# Altium PCB PCB1.PcbDoc
Units mm, origin at the board's own origin, x right, y up, seen from the top; angles counter-clockwise.
Board outline 53 x 92 mm, 2 copper layers (Top Layer, Bottom Layer); 96 components, 63 nets, 385 pads, 165 vias.
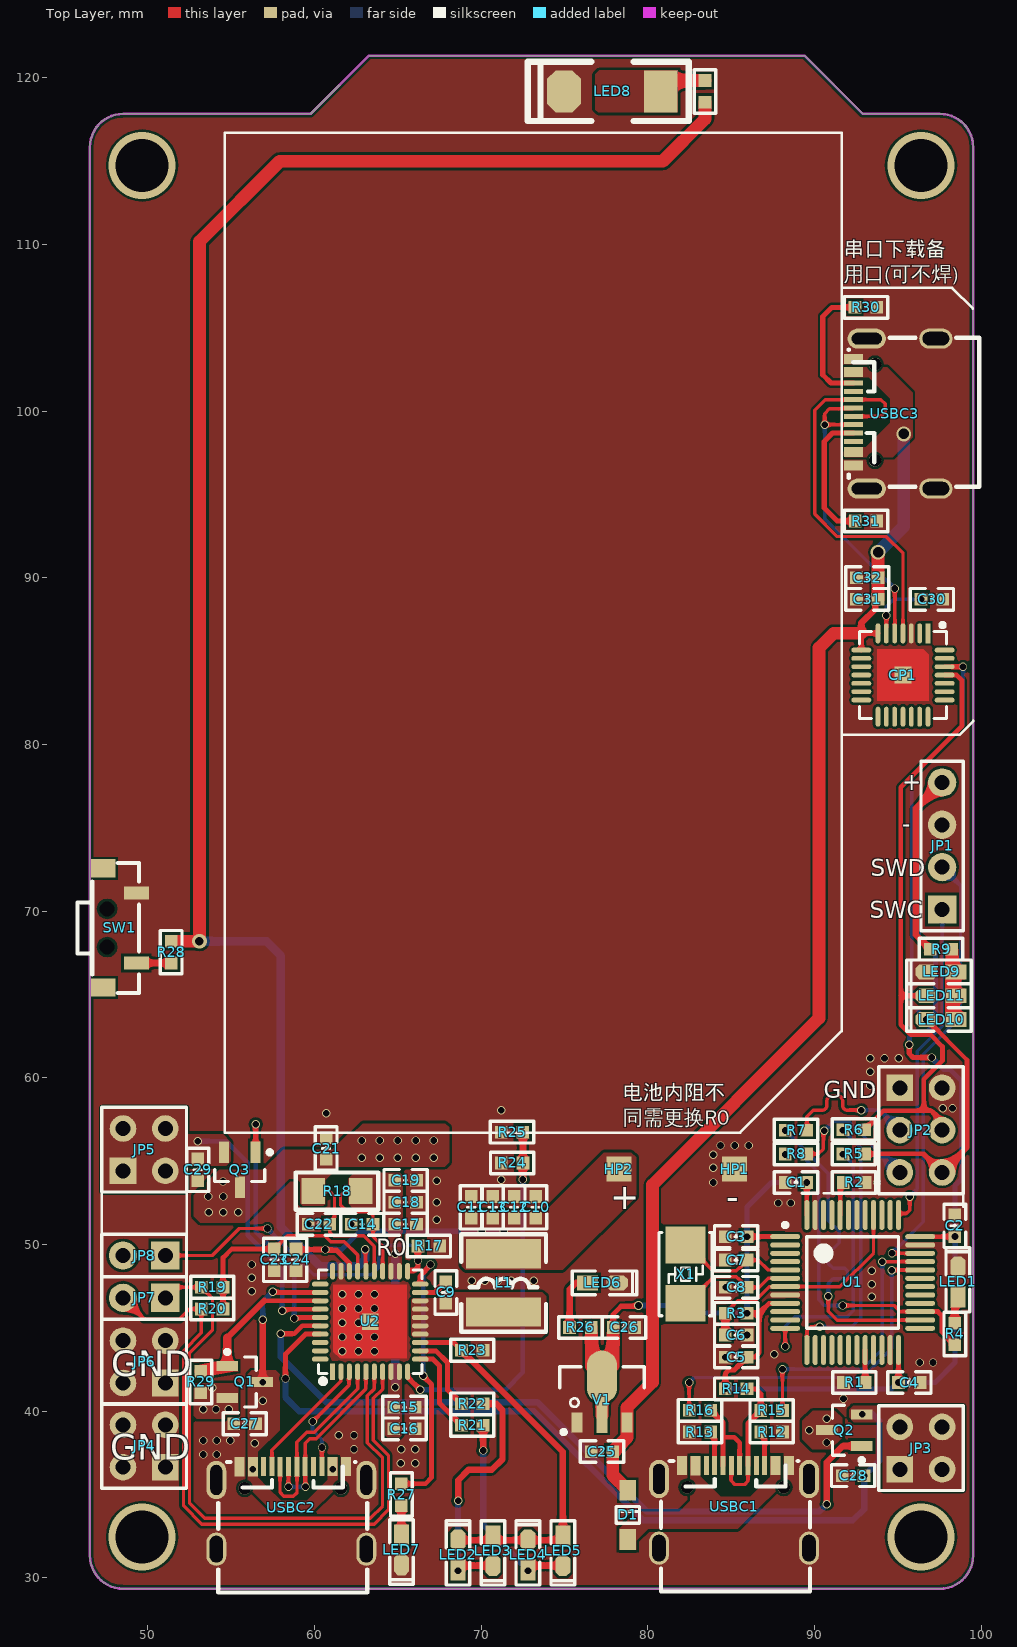
[diagram p0: Top Layer view]
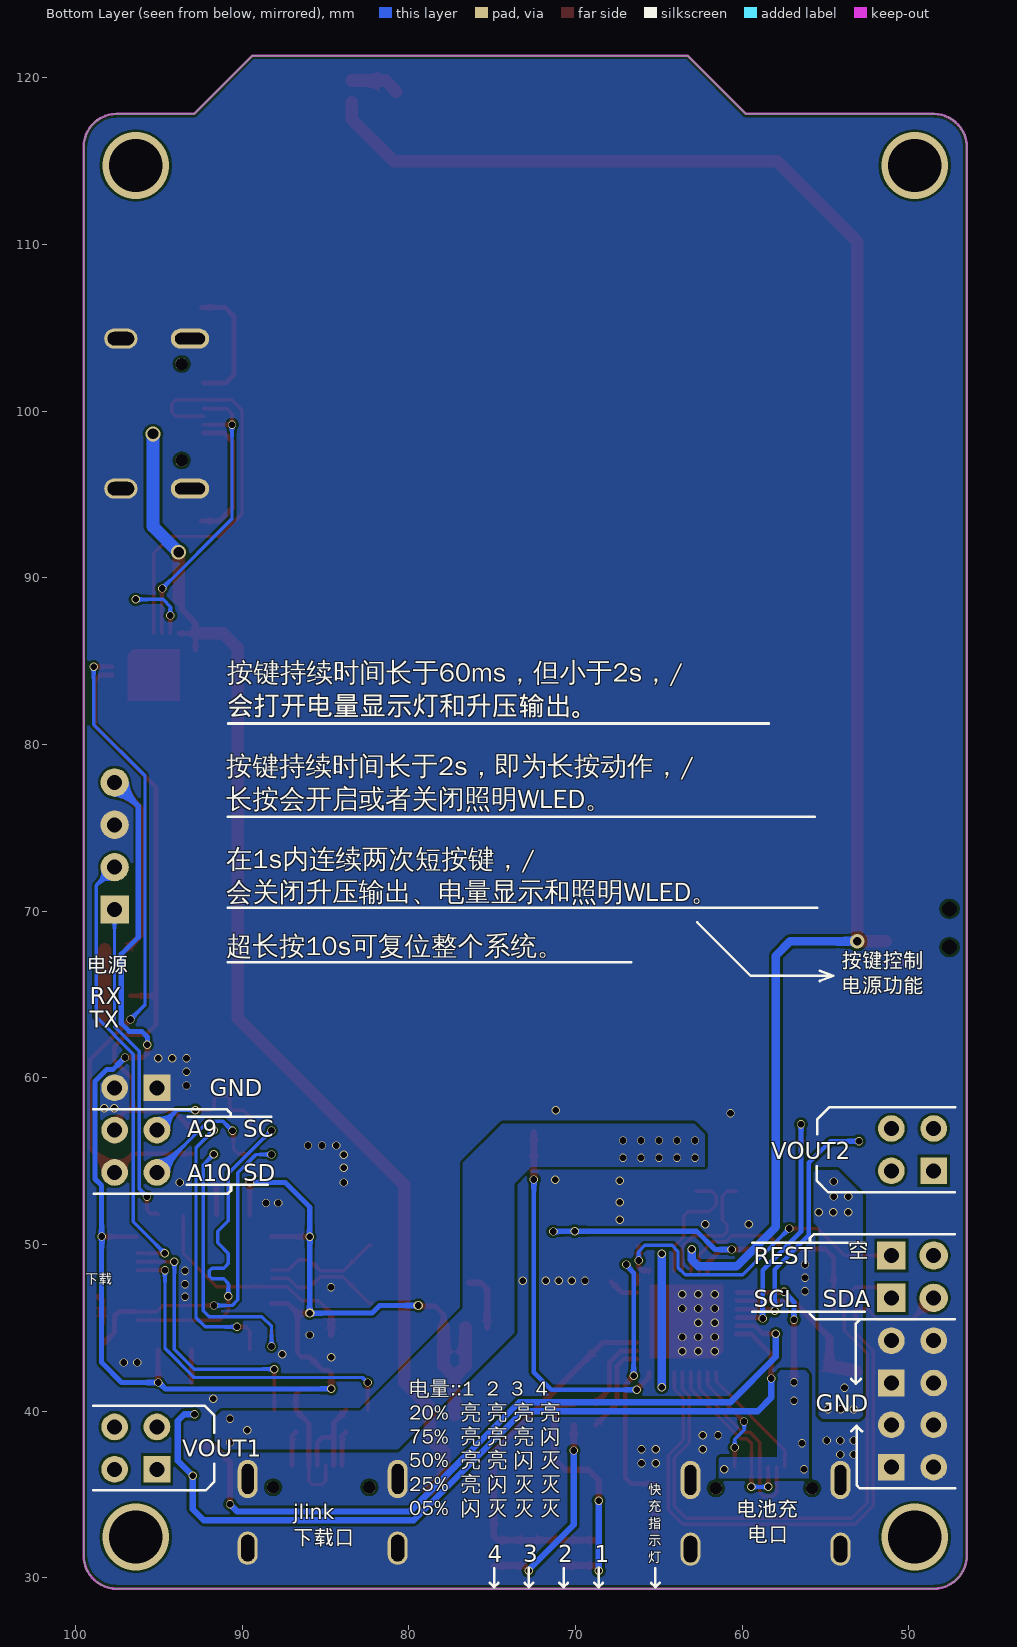
[diagram p1: Bottom Layer view, seen from below]

## Layer stack, top to bottom
Top Solder: solder mask 0.0102, Solder Resist, Dk 3.5
Top Layer: signal copper 0.0356
Dielectric 1: dielectric 0.32, FR-4, Dk 4.8
Bottom Layer: signal copper 0.0356
Bottom Solder: solder mask 0.0102, Solder Resist, Dk 3.5

## Board outline
46.525,31.343 46.525,115.843 cw(c48.525,115.843) 48.525,117.843 59.775,117.843 63.275,121.343 89.4,121.343 92.9,117.843 97.525,117.843 cw(c97.525,115.843) 99.525,115.843 99.525,31.343 cw(c97.525,31.343) 97.525,29.343 48.525,29.343 cw(c48.525,31.343)

## Design rules (kind name [scope] priority, off if disabled: settings)
Clearance [All] p1: gap=0.152 ignorepadtopadclearanceinfootprint=TRUE
HoleToHoleClearance [All] p1: gap=0 allowstackedmicrovias=TRUE
MinimumSolderMaskSliver [All] p1: minsoldermaskwidth=0
PolygonConnect [All] p1: connectstyle=Direct reliefconductorwidth=0.254 reliefentries=4 polygonreliefangle="90 Angle" airgapwidth=0.254
RoutingVias [All] p1: holewidth=0.4 width=0.5 viastyle="Through Hole" minholewidth=0.4 minwidth=0.5 maxholewidth=90 maxwidth=100
SilkToSilkClearance [All] p1: silktosilkclearance=0
SilkToSolderMaskClearance [IsPad] p1: minsilkscreentomaskgap=0 clearancetoexposedcopper=TRUE
SolderMaskExpansion [All] p1: expansion=0.102 istentingtop=FALSE
UnRoutedNet [All] p1: checkbadconnections=TRUE
Width [All] p1: maxlimit=1.016 minlimit=0.127 preferedwidth=0.203
25 further rules are at their usual default settings.

## Components (designator, comment, footprint, x,y, rotation, side; value= is the part's Value field where it differs from the comment)
C1 "104" "C 0603_L" 88.897,53.721 r0 top
C2 "104" "C 0603_L" 98.423,51.12 r270 top
C3 "104" "C 0603_L" 85.306,50.47 r0 top
C4 "104" "C 0603_L" 95.697,41.719 r180 top
C5 "104" "C 0603_L" 85.306,43.243 r0 top
C6 "104" "C 0603_L" 85.306,44.568 r180 top
C7 "22PF" "C 0603_L" 85.305,49.067 r0 top
C8 "22PF" "C 0603_L" 85.305,47.426 r0 top
C9 "104" "C 0603_L" 67.882,47.121 r90 top
C10 "22uf" "C 0603_L" 73.284,52.232 r90 top
C11 "22uf" "C 0603_L" 69.41,52.232 r90 top
C12 "22uf" "C 0603_L" 71.982,52.233 r270 top
C13 "22uf" "C 0603_L" 70.697,52.232 r270 top
C14 "104" "C 0603_L" 62.865,51.213 r0 top
C15 "106" "C 0603_L" 65.4,40.24 r0 top
C16 "106" "C 0603_L" 65.4,38.94 r0 top
C17 "106" "C 0603_L" 65.47,51.213 r0 top
C18 "106" "C 0603_L" 65.47,52.53 r0 top
C19 "106" "C 0603_L" 65.47,53.848 r0 top
C21 "22UF" "C 0603_L" 60.7,55.76 r270 top
C22 "104" "C 0603_L" 60.27,51.213 r0 top
C23 "2.2.UF" "C 0603_L" 57.593,49.08 r270 top
C24 "2.2UF" "C 0603_L" 58.895,49.08 r270 top
C25 "104" "C 0603_L" 77.253,37.573 r0 top
C26 "104" "C 0603_L" 78.578,45.024 r180 top
C27 "106" "C 0603_L" 55.816,39.243 r0 top
C28 "106" "C 0603_L" 92.324,36.131 r180 top
C29 "106" "C 0603_L" 53,54.48 r90 top
C30 "104" "C 0603_L" 97.043,88.709 r0 top
C31 "104" "C 0603_L" 93.171,88.709 r180 top locked
C32 "104" "C 0603_L" 93.171,90.015 r180 top locked
CP1 "U?" "QFN28 5x5_N" 95.313,84.169 r180 top
D1 "SS14" SOD-123 78.803,33.782 r270 top
HP1 "" 焊盘1.5X1.5 85.217,54.528 r180 top
HP2 "" 焊盘1.5X1.5 78.264,54.528 r270 top
JP1 "HDR-1X4" HDR2.54-LI-4P 97.663,73.914 r90 top
JP2 "Header3X2" HDR2.54-LI-2x3P 96.393,56.864 r270 top locked
JP3 "Header2X2" HDR2.54-LI-2x2P 96.393,37.782 r0 top locked
JP4 "Header2X2" HDR2.54-LI-2x2P 49.784,37.91 r90 top
JP5 "Header2X2" HDR2.54-LI-2x2P 49.784,55.689 r0 top locked
JP6 "Header2X2" HDR2.54-LI-2x2P 49.784,42.958 r90 top locked
JP7 "HDR-1X2" HDR2.54-LI-2P 49.784,46.799 r180 top locked
JP8 "HDR-1X2" HDR2.54-LI-2P 49.784,49.34 r180 top locked
L1 "2.2uH" CD43 71.349,47.692 r90 top
LED1 "" "LED 0603R" 98.615,47.752 r90 top
LED2 "" "LED 0603R" 68.618,31.369 r90 top
LED3 "" "LED 0603R" 70.703,31.623 r270 top
LED4 "" "LED 0603R" 72.814,31.369 r90 top
LED5 "" "LED 0603R" 74.898,31.623 r270 top
LED6 "R" "LED 0603R" 77.279,47.692 r0 top
LED7 "GREEN" "LED 0603R" 65.215,31.677 r270 top
LED8 "R" "LED 5730-V" 77.883,119.189 r180 top locked
LED9 "R" "LED 0603Y" 97.599,66.358 r180 top
LED10 "R" "LED 0603Y" 97.599,63.5 r180 top
LED11 "R" "LED 0603Y" 97.599,64.929 r180 top
Q1 "RU20P7C" SOT23-3N 55.816,41.751 r0 top
Q2 "RC207C" SOT23-3N 91.789,38.86 r180 top locked
Q3 "RC207C" SOT23-3N 55.52,54.48 r270 top
R1 "10K" "R 0603_L" 92.397,41.719 r180 top
R2 "10K" "R 0603_L" 92.382,53.721 r0 top
R3 "10K" "R 0603_L" 85.306,45.869 r0 top
R4 "10K" "R 0603_L" 98.423,44.63 r90 top
R5 "22" "R 0603_L" 92.361,55.435 r0 top
R6 "22" "R 0603_L" 92.361,56.894 r0 top
R7 "22" "R 0603_L" 88.897,56.864 r0 top
R8 "22" "R 0603_L" 88.897,55.435 r0 top
R9 "4.7" "R 0603_L" 97.599,67.723 r0 top
R10 "0" "R 0603_L" 83.44,119.189 r270 top
R12 "5.1K" "R 0603_L" 87.433,38.748 r0 top
R13 "5.1K" "R 0603_L" 83.133,38.748 r0 top
R14 "1.5K" "R 0603_L" 85.305,41.338 r180 top
R15 "22" "R 0603_L" 87.433,40.04 r0 top
R16 "22" "R 0603_L" 83.133,40.049 r180 top
R17 "110K" "R 0603_L" 66.865,49.911 r0 top
R18 "0.01" "R 1206_L" 61.333,53.204 r0 top locked
R19 "3.3" "R 0603_L" 53.867,47.434 r0 top
R20 "3.3" "R 0603_L" 53.867,46.133 r180 top
R21 "100" "R 0603_L" 69.469,39.148 r180 top
R22 "100" "R 0603_L" 69.469,40.44 r180 top
R23 "0" "R 0603_L" 69.469,43.654 r180 top
R24 "82K" "R 0603_L" 71.864,54.896 r180 top
R25 "RTC100K" "R 0603_L" 71.857,56.737 r180 top
R26 "1K" "R 0603_L" 75.959,45.025 r180 top
R27 "100" "R 0603_L" 65.215,34.994 r270 top
R28 "1K" "R 0603_L" 51.403,67.543 r270 top
R29 "10K" "R 0603_L" 53.181,41.751 r90 top
R30 "5.1K" "R 0603_L" 93.091,106.236 r0 top
R31 "5.1K" "R 0603_L" 93.095,93.408 r180 top
SW1 "3x6x5" "TSW 3*6*4.3-S-W" 47.561,68.993 r270 top
U1 "STM32F103C8T6" LQFP48_N 92.297,47.72 r0 top locked
U2 "IP5328P" "QFN40 6X6_N" 63.341,45.371 r0 top
USBC1 "TYPE-C 2.0 -16P" USB-C-SMD_TYPE-C-USB-5 85.175,34.257 r0 top locked
USBC2 "TYPE-C 2.0 -16P" USB-C-SMD_TYPE-C-USB-5 58.61,34.195 r0 top locked
USBC3 "TYPE-C 2.0 -16P" USB-C-SMD_TYPE-C-USB-5 94.814,99.854 r90 top locked
V1 "LD1117-3V3" SOT89_L 77.253,39.624 r0 top
X1 "8MHz" "OSC 5032-2P" 82.272,48.22 r90 top

## Footprints (in the part's own frame and the unit in brackets; to place one, negate y for a bottom-side part, rotate by r counter-clockwise, add the part's x,y. Pads: shape width x height; smd on the part's side, far side on the other; paste and mask are expansions set on the pad)
"C 0603_L" [mil] "无极性贴片电容                                       淘宝ID:黄晶宝石"
  rect 30x30 smd: 1(-25.59,0) 2(25.59,0)
  silkscreen extent -51,-26 51,26, body extent -31,-16 32,16, height 32
CD43 [mm] "4.5*4*3.2mm（长宽高）        淘宝ID:黄晶宝石"
  rect 1.75x4.5 smd: 1(-1.75,0) 2(1.75,0)
  silkscreen extent -2.92,-2.54 2.92,2.54, body extent -2.21,-2 2.21,2, height 3.3
HDR2.54-LI-2P [mm] "封装库来自淘宝卖家 ID：黄晶宝石"
  rect 1.7x1.7 hole 0.9: 1(-1.27,0)
  round 1.7 hole 0.9: 2(1.27,0)
  silkscreen extent -2.54,-1.27 2.54,1.27, body extent -2.54,-1.27 2.54,1.27, height 8.5
HDR2.54-LI-2x2P [mm] "封装库来自淘宝卖家 ID：黄晶宝石"
  rect 1.6x1.6 hole 0.9: 1(-1.27,-1.27)
  round 1.6 hole 0.9: 2(-1.27,1.27) 3(1.27,-1.27) 4(1.27,1.27)
  silkscreen extent -2.54,-2.54 2.54,2.54, body extent -2.54,-2.54 2.54,2.54, height 8.5
HDR2.54-LI-2x3P [mm] "封装库来自淘宝卖家 ID：黄晶宝石"
  rect 1.6x1.6 hole 0.9: 1(-2.54,-1.27)
  round 1.6 hole 0.9: 2(-2.54,1.27) 3(0,-1.27) 4(0,1.27) 5(2.54,-1.27) 6(2.54,1.27)
  silkscreen extent -3.81,-2.54 3.81,2.54, body extent -3.81,-2.54 3.81,2.54, height 8.5
HDR2.54-LI-4P [mm] "排针，4脚"
  rect 1.7x1.7 hole 0.9: 1(-3.81,0)
  round 1.7 hole 0.9: 2(-1.27,0) 3(1.27,0) 4(3.81,0)
  silkscreen extent -5.08,-1.27 5.08,1.27, body extent -5.08,-1.27 5.08,1.27, height 8.5
"LED 0603R" [mil] "红色0603LED                                           淘宝ID:黄晶宝石"
  rect 50x35 smd: 1(-35,0.26)
  oct 50x35 smd: 2(35,0.26)
  silkscreen extent -71,-28 81,28, body extent -31,-16 31,16, height 18
"LED 0603Y" [mil] "黄色0603LED                              淘宝ID:黄晶宝石"
  rect 50x35 smd: 1(-35,0)
  oct 50x35 smd: 2(35,0)
  silkscreen extent -71,-28 81,28, body extent -32,-16 31,16, height 18
"LED 5730-V" [mm] "紫色5730LED                               淘宝ID:黄晶宝石"
  rect 2.032x2.54 smd: 1(-2.9,0)
  oct 2.032x2.54 smd: 2(2.9,0)
  silkscreen extent -4.57,-1.78 5.08,1.78, body extent -2.85,-1.5 2.85,1.5, height 0.85
LQFP48_N [mm] "封装库来自淘宝 ID：黄晶宝石 Thin QFP, 48-Leads, Body 7x7mm, Pitch 0.5mm, IPC Medium Density"
  oval 1.8x0.3 smd: 1(-4.05,2.75) 2(-4.05,2.25) 3(-4.05,1.75) 4(-4.05,1.25) 5(-4.05,0.75) 6(-4.05,0.25) 7(-4.05,-0.25) 8(-4.05,-0.75) 9(-4.05,-1.25) 10(-4.05,-1.75) 11(-4.05,-2.25) 12(-4.05,-2.75) 25(4.05,-2.75) 26(4.05,-2.25) 27(4.05,-1.75) 28(4.05,-1.25) 29(4.05,-0.75) 30(4.05,-0.25) 31(4.05,0.25) 32(4.05,0.75) 33(4.05,1.25) 34(4.05,1.75) 35(4.05,2.25) 36(4.05,2.75)
  oval 0.3x1.8 smd: 13(-2.75,-4.05) 14(-2.25,-4.05) 15(-1.75,-4.05) 16(-1.25,-4.05) 17(-0.75,-4.05) 18(-0.25,-4.05) 19(0.25,-4.05) 20(0.75,-4.05) 21(1.25,-4.05) 22(1.75,-4.05) 23(2.25,-4.05) 24(2.75,-4.05) 37(2.75,4.05) 38(2.25,4.05) 39(1.75,4.05) 40(1.25,4.05) 41(0.75,4.05) 42(0.25,4.05) 43(-0.25,4.05) 44(-0.75,4.05) 45(-1.25,4.05) 46(-1.75,4.05) 47(-2.25,4.05) 48(-2.75,4.05)
  silkscreen extent -4.17,-2.75 2.75,3.57, body extent -4.5,-4.5 4.5,4.5, height 1.45
"OSC 5032-2P" [mm] "5mm*3.2mm*0.8mm(长*宽*高)                  淘宝ID:黄晶宝石"
  rect 2.2x2.4 smd: 1(-1.75,0) 2(1.75,0)
  silkscreen extent -2.5,-1.6 2.5,1.6, body extent -2.5,-1.6 2.5,1.6, height 0.86
"QFN28 5x5_N" [mm] "28脚，长x宽x高：5x5x0.8mm，脚距：0.5mm"
  rect 0.28x1.2 smd: 1(-1.5,-2.5)
  oval 0.28x1.2 smd: 2(-1,-2.5) 3(-0.5,-2.5) 4(0,-2.5) 5(0.5,-2.5) 6(1,-2.5) 7(1.5,-2.5) 15(1.5,2.5) 16(1,2.5) 17(0.5,2.5) 18(0,2.5) 19(-0.5,2.5) 20(-1,2.5) 21(-1.5,2.5)
  oval 1.2x0.28 smd: 8(2.5,-1.5) 9(2.5,-1) 10(2.5,-0.5) 11(2.5,0) 12(2.5,0.5) 13(2.5,1) 14(2.5,1.5) 22(-2.5,1.5) 23(-2.5,1) 24(-2.5,0.5) 25(-2.5,0) 26(-2.5,-0.5) 27(-2.5,-1) 28(-2.5,-1.5)
  rect 1x1 smd: 29(0,0)
  Top Layer region: -1.55,1.55 1.55,1.55 1.55,-1.55 -1.225,-1.55 -1.55,-1.225
  silkscreen extent -2.6,-3.12 2.6,2.6, body extent -2.51,-2.51 2.51,2.51
"QFN40 6X6_N" [mm] "40脚，长x宽x高：6x6x1mm，脚距：0.5mm"
  rect 0.3x1 smd mask+0.051: 1(-2.25,-3)
  oval 0.3x1 smd mask+0.051: 2(-1.75,-3) 3(-1.25,-3) 4(-0.75,-3) 5(-0.25,-3) 6(0.25,-3) 7(0.75,-3) 8(1.25,-3) 9(1.75,-3) 10(2.25,-3) 21(2.25,3.025) 22(1.75,3.025) 23(1.25,3.025) 24(0.75,3.025) 25(0.25,3.025) 26(-0.25,3.025) 27(-0.75,3.025) 28(-1.25,3.025) 29(-1.75,3.025) 30(-2.25,3.025)
  oval 1x0.3 smd mask+0.051: 11(3,-2.25) 12(3,-1.75) 13(3,-1.25) 14(3,-0.75) 15(3,-0.25) 16(3,0.25) 17(3,0.75) 18(3,1.25) 19(3,1.75) 20(3,2.25) 31(-3,2.25) 32(-3,1.75) 33(-3,1.25) 34(-3,0.75) 35(-3,0.25) 36(-3,-0.25) 37(-3,-0.75) 38(-3,-1.25) 39(-3,-1.75) 40(-3,-2.25)
  rect 1x1 smd mask+0.051: 41(0,0)
  Top Layer region: -2.2,2.2 2.2,2.2 2.2,-2.2 -1.8,-2.2 -2.2,-1.8
  silkscreen extent -3.1,-3.72 3.1,3.1, body extent -3.01,-3.01 3.01,3.01, height 0.95
"R 0603_L" [mil] "1/10W贴片电阻                 淘宝ID:黄晶宝石"
  rect 30x30 smd: 1(-25.59,0) 2(25.59,0)
  silkscreen extent -51,-26 51,26, body extent -31,-16 32,16, height 16
"R 1206_L" [mil] "1/4W贴片电阻             淘宝ID:黄晶宝石"
  rect 55x62 smd: 1(-55.12,0) 2(57.09,0)
  silkscreen extent -96,-44 98,44, body extent -63,-31 63,32, height 22
SOD-123 [mm]
  rect 1.25x1 smd: 1(1.475,0) 2(-1.475,0)
  silkscreen extent -0.5,-0.7 0.5,0.7, body extent -1.85,-0.77 1.85,0.78, height 1.35
SOT23-3N [mm] "SOT23, 3-Leads, Body 2.9x1.3mm, Pitch 0.95mm, Lead Span 2.4mm, IPC Medium Density封装库来自淘宝卖家 ID：黄晶宝石"
  rect 1.3x0.6 smd: 1(-1.05,0.95) 2(-1.05,-0.95) 3(1.05,0)
  silkscreen extent -1.17,-1.5 0.7,1.92, body extent -1.2,-1.5 1.2,1.5, height 1.05
SOT89_L [mm] "4.6x4.3x1.6mm(长宽高)"
  rect 0.66x1.2 smd: 1(-1.5,-0.303) 3(1.5,-0.303)
  rect 0.66x2.1 smd: 2(0,0.127)
  oval 1.8x3.175 smd: 2(0,2.441)
  silkscreen extent -2.54,-1 2.54,3.05, body extent -2.3,-0.83 2.3,3.48, height 1.6
"TSW 3*6*4.3-S-W" [mm] "侧立贴片3*6*4.3          淘宝ID:黄晶宝石"
  rect 1.1x1.5 smd: 0(-3.575,-0.25) 0(3.575,-0.25)
  round 0 hole 0.9: 0(-1.15,0) 0(1.15,0)
  rect 0.8x1.5 smd: 1(2.1,1.75) 2(-2.1,1.75)
  silkscreen extent -3.9,-1.78 3.9,1.91, body extent -3.9,-1.79 3.9,1.91, height 3.51
USB-C-SMD_TYPE-C-USB-5 [mm]
  oval 1.2x2 hole 0.8 slot 1.6 at 90 deg: 0(-4.5,-2.475) 0(4.5,-2.475)
  oval 1.2x2.3 hole 0.7 slot 1.8 at 90 deg: 0(-4.5,1.675) 0(4.5,1.675)
  rect 0.3x1.15 smd: A1(-3.263,2.473) A4(-2.462,2.471) A5(-1.162,2.475) A6(-0.162,2.475) A7(0.337,2.473) A9(2.638,2.475) A12(3.437,2.475) B1(3.138,2.475) B4(2.337,2.475) B5(1.838,2.475) B6(0.838,2.475) B7(-0.663,2.473) B9(-2.162,2.471) B12(-2.963,2.473)
  rect 0.3x1.148 smd: A8(-1.663,2.475) B8(1.337,2.475)
  round 0.75 hole 0.75 unplated: ""(-2.803,1.175) ""(2.978,1.175)
  silkscreen extent -4.38,-5.08 4.56,2.75, body extent -4.34,-5.14 4.6,2.76, height 3.25
焊盘1.5X1.5 [mm] "1.5X1.5"
  rect 1.5x1.5 smd: 1(0,0)

## Part data
C1 C2 C3 C4 C5 C6 C7 C8 C9 C10 C11 C12 C13 C14 C15 C16 C17 C18 C19 C21 C22 C23 C24 C25 C26 C27 C28 C29 C30 C31 C32: library part C, "贴片电容"
CP1: library part CP2102N, "USB转TTL"
D1: "肖特基二极管", 属性=4
HP1 HP2: library part HP?
JP1: library part "Header 4", "4P接插件"
JP2: library part "Header 3X2", "3*2P接插件"
JP3 JP4 JP5 JP6: library part "Header 2X2", "2*2P接插件"
JP7 JP8: library part "Header 2", "2P接插件"
L1: library part L-CDRH, "功率屏蔽电感"
LED1 LED2 LED3 LED4 LED5 LED6 LED7 LED8 LED9 LED10 LED11: library part LED-SMD, "贴片LED"
Q1: "PMOS / Rds(on)<20m ohm      I>=4A"
Q2 Q3: library part RU207C, "NMOS  / Rds(on)<20m ohm      I>=4A"
R1 R2 R3 R4 R5 R6 R7 R8 R9 R10 R12 R13 R14 R15 R16 R17 R18 R19 R20 R21 R22 R23 R24 R25 R26 R27 R28 R29 R30 R31: library part R, "贴片电阻"
SW1: library part "TSW 3x6", "3x6轻触开关"
U1: "STM32 ARM-based 32-bit MCU Performance Line with 64 kB Flash, 20 kB Internal RAM, -40 to +85癈 Temperature, 48-Pin LQFP, Tray"
USBC1 USBC2 USBC3: library part "USB2.0 Type-C 16Pin母座", "USB2.0 Type-C 母座 16Pin"
V1: library part LD1117, "三端稳压芯片"
X1: library part XTAL-2P, "2脚无源脚晶振"

## Via types
v1: diameter 0.5, hole 0.4, Top Layer to Bottom Layer, tented both sides, 156 vias
v2: diameter 4, hole 3.2, Top Layer to Bottom Layer, tented both sides, 4 vias
v3: diameter 0.55, hole 0.4, Top Layer to Bottom Layer, tented both sides, 2 vias
v4: diameter 0.889, hole 0.635, Top Layer to Bottom Layer, tented both sides, 2 vias
v5: diameter 0.889, hole 0.508, Top Layer to Bottom Layer, tented both sides, 1 vias

## Nets (pads, with @x,y where several pads share a name; then routed paths per layer and width w, separated by ;. In a path a pad name is that pad's centre, name@x,y a point inside that pad or via, vN(x,y) a via of type N, cw(c..) or ccw(c..) an arc to the next point about the centre after c; other vN are vias at no path point)
3.3: C1.2 C2.2 C3.2 C4.2 C5.2 C26.2 JP1.4 R3.2 R9.1 R14.2 R26.1 U1.1 U1.9 U1.24 U1.36 U1.48 V1.2 | length 109.8
  Top Layer w0.279: 86.429,43.243 86.689,43.504 86.689,45.869 ; U1.48 v1(89.547,53.721) ; U1.36 C2.2
  Top Layer w0.305: C26.2 77.928,45.81 78.411,46.293 79.393,46.293 v3(79.44,46.34) ; v1(84.656,41.339) 84.656,42.256 84.88,42.48 85.2,42.48 85.956,43.236 C5.2 86.429,43.243 ; v3(85.956,45.88) R3.2 86.689,45.869 87.29,46.47 U1.9 ; v1(85.956,50.47) U1.1 ; v1(95.047,41.719) U1.24 ; v1@95.697,61.803 95.697,61.443 95.92,61.22 v1(97.04,61.22)
  Top Layer w0.381: R9.1 96.937,67.723 96.08,68.58 96.08,76.141 JP1.4
  Top Layer w0.762: R26.1 76.609,42.709 V1.2@77.253,42.065 ; V1.2@77.253,39.751 V1.2@77.253,42.065 ; C26.2 77.928,42.739 V1.2@77.253,42.065
  Bottom Layer w0.305: v3(79.44,46.34) 81.76,46.34 82.22,45.88 v3(85.956,45.88) v1(85.956,50.47) 85.956,52.256 87.421,53.721 v1(89.547,53.721) ; v1(84.656,41.339) 94.614,41.339 94.994,41.719 v1(95.047,41.719) 97.244,41.719 98.44,42.915 v1(98.44,50.48) 98.44,53.539 98.838,53.937 98.838,59.792 98.121,60.509 97.751,60.509 v1(97.04,61.22) ; v1(95.697,61.98) 95.697,62.457 96.029,62.789 96.784,62.789 97.265,63.27 97.265,67.416 96.246,68.435 96.246,76.307 JP1.4
+5: C25.2 C31.1 C32.1 CP1.7 CP1.8 D1.2 USBC3.A4 USBC3.A9 USBC3.B4 USBC3.B9 V1.3 | length 74
  Top Layer w0.279: CP1.8 92.813,86.669 CP1.7
  Top Layer w0.381: 92.813,86.669 92.813,86.672 92.813,87.294 93.64,88.12 93.64,88.528 C31.1
  Top Layer w0.762: D1.2 77.903,36.157 C25.2 77.913,37.573 78.753,38.413 V1.3 78.753,40.213 80.28,41.74 80.28,53.58 90.28,63.58 90.28,85.799 91.153,86.672 92.813,86.672 ; C31.1 C32.1 v4(93.821,91.54)
  Bottom Layer w0.762: v4(93.821,91.54) 95.36,93.079 v4(95.36,98.64)
BST: C9.2 U2.19 | length 1.8
  Top Layer w0.305: U2.19 66.344,47.123 67.234,47.123 C9.2
CC1: U2.2 USBC2.A5 | length 7.4
  Top Layer w0.203: USBC2.A5 57.448,37.668 61.573,41.792 61.573,42.352 U2.2
CC2: U2.3 USBC2.B5 | length 6.9
  Top Layer w0.203: v1(59.9,39.38) 62.073,41.553 62.073,42.352 U2.3 ; USBC2.B5 60.45,36.672 60.45,37.812 v1(60.452,37.814)
  Bottom Layer w0.203: v1(59.9,39.38) 59.88,39.36 59.88,38.882 60.452,38.31 v1(60.452,37.814)
D+: CP1.4 USBC3.A6 USBC3.B6 | length 24.4
  Top Layer w0.203: USBC3.A6 93.991,99.691 94.24,99.94 94.24,100.44 93.989,100.691 USBC3.B6 ; USBC3.B6 92.336,100.689 90.649,100.689 90.02,100.06 90.02,93.833 91.373,92.48 94.32,92.48 95.318,91.482 95.318,86.673 CP1.4
D-: CP1.5 USBC3.A7 USBC3.B7 | length 18.5
  Top Layer w0.203: USBC3.B7 v1(90.62,99.191) 90.62,99.86 90.903,100.143 92.292,100.143 USBC3.A7 ; CP1.5 94.824,86.68 94.824,89.349 v1(94.814,89.359)
  Bottom Layer w0.203: v1(90.62,99.191) 90.62,93.553 v1(94.814,89.359)